# Altium PCB IC_LAB_test.PcbDoc (part 4 of 8)
Units mil, origin at the board's own origin, x right, y up, seen from the top; angles counter-clockwise.
Board outline 9750.75 x 5353.06 mil, 2 copper layers (Top Layer, Bottom Layer); 164 components, 0 nets, 5989 pads, 3214 vias.
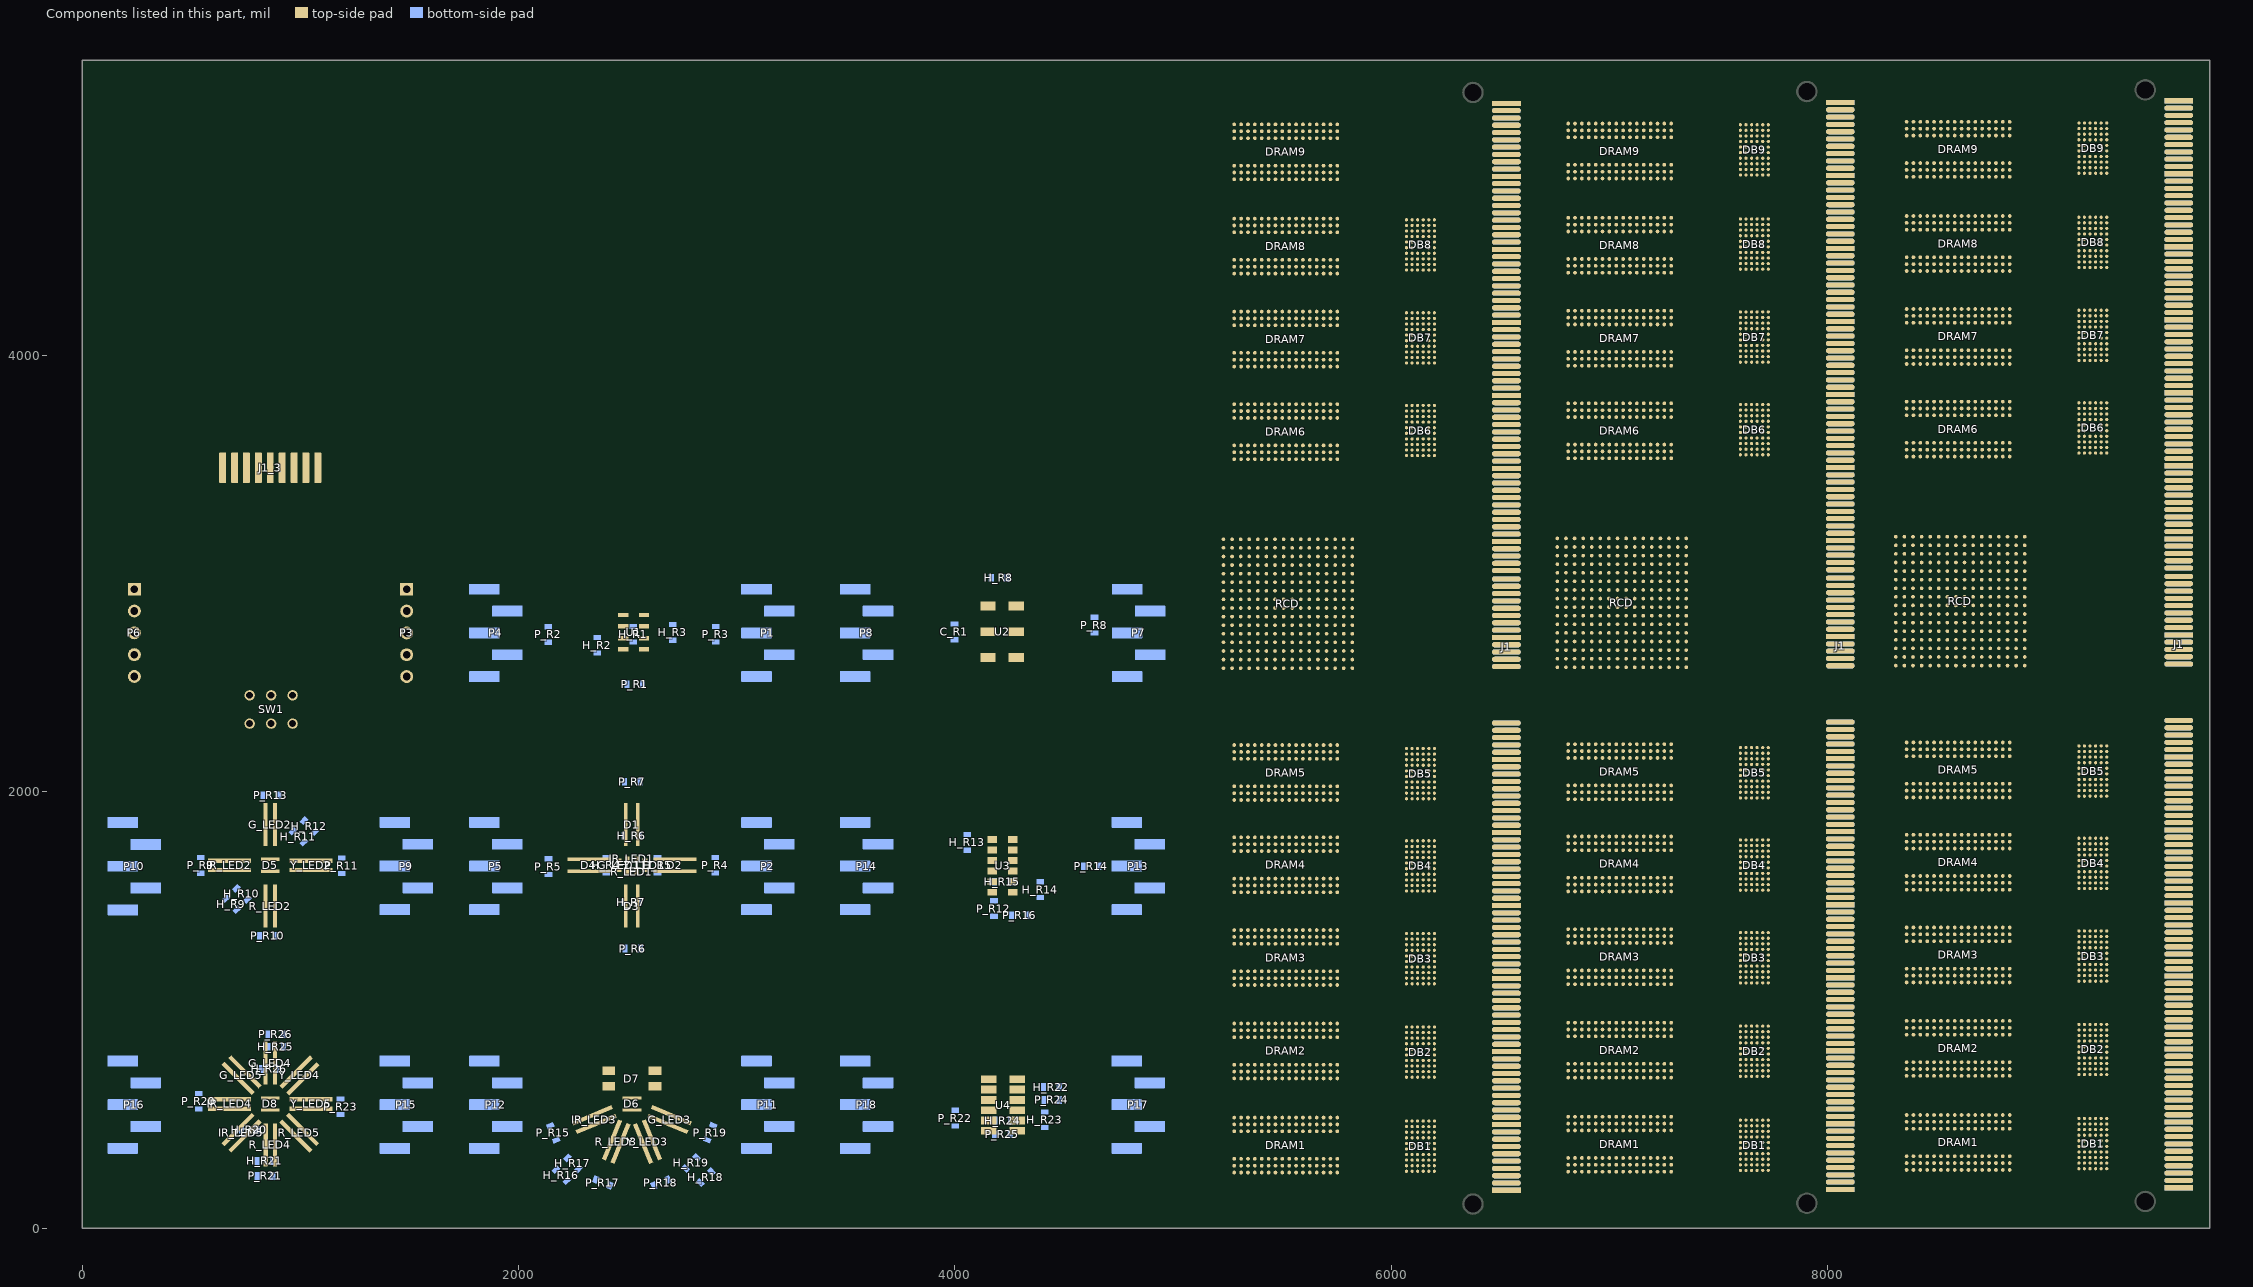
[diagram p4: the components of this part, seen from the top]

## Via types
v1: diameter 17.72, hole 8, Top Layer to Bottom Layer, 2685 vias
v2: diameter 39.37, hole 23.62, Top Layer to Bottom Layer, tented both sides, 414 vias
v3: diameter 23.62, hole 11.81, Top Layer to Bottom Layer, 52 vias
v4: diameter 23.62, hole 11.81, Top Layer to Bottom Layer, tented top, 33 vias
v5: diameter 31.5, hole 15.75, Top Layer to Bottom Layer, 21 vias
v6: diameter 137.8, hole 122.05, Top Layer to Bottom Layer, 3 vias
v7: diameter 78.74, hole 62.99, Top Layer to Bottom Layer, 3 vias
v8: diameter 39.37, hole 19.68, Top Layer to Bottom Layer, 3 vias

## Nets (pads, with @x,y where several pads share a name; then routed paths per layer and width w, separated by ;. In a path a pad name is that pad's centre, name@x,y a point inside that pad or via, vN(x,y) a via of type N, cw(c..) or ccw(c..) an arc to the next point about the centre after c; other vN are vias at no path point) (continued)
copper on no net: (continued)
  Top Layer w3.5: 7251.38,4410.39 7266.6,4395.17 7290.87,4395.17 7316.33,4420.63 7599.92,4420.63 ; 7251.38,4441.89 7264.15,4454.66 7264.15,4462.45 v1(7265.87,4464.17) ; 7251.38,4842.17 7266.59,4826.95 7300.65,4826.95 7326.1,4852.4 7599.92,4852.4 ; 7251.38,4873.66 7251.38,4876.24 7267.87,4892.74 v1(7267.87,4895.17) ; v1(7253.87,2865.17) 7253.87,2865.8 7272.87,2884.8 7272.87,2885.43 ; v1(7253.87,2904.17) 7253.87,2904.99 7272.87,2923.99 7272.87,2924.8 ; v1(7253.87,2944.17) 7253.87,2944.67 7272.87,2963.67 7272.87,2964.17 ; v1(7254.87,2827.17) 7254.87,2827.62 7272.87,2845.62 7272.87,2846.06 ; v1(7260.87,1038.17) 7307.87,1038.17 7366.87,1097.17 7624.42,1097.17 7651.1,1123.86 ; v1(7262.87,3876.17) 7306.87,3876.17 7367.87,3937.17 7619.42,3937.17 7651.1,3968.86 ; v1(7263.87,3461.17) 7317.87,3461.17 7365.87,3509.17 7615.83,3509.17 7651.1,3544.45 ; v1(7263.87,4301.17) 7265.87,4299.17 7314.87,4299.17 7373.87,4358.17 7614.24,4358.17 7651.1,4395.04 ; v1(7265.87,1464.17) 7268.87,1467.17 7312.87,1467.17 7366.87,1521.17 7610.87,1521.17 7611.87,1522.17 7624.42,1522.17 7651.1,1548.86 ; v1(7265.87,1883.17) 7266.87,1884.17 7318.87,1884.17 7373.87,1939.17 7618.46,1939.17 7651.1,1971.81 ; v1(7266.87,620.17) 7321.87,620.17 7364.87,663.17 7618.65,663.17 7651.1,695.63 ; v1(7266.87,4740.17) 7266.87,4739.17 7267.87,4738.17 7332.87,4738.17 7387.87,4793.17 7617.46,4793.17 7651.1,4826.81 ; v1(7268.87,175.17) 7413.87,175.17 7472.87,234.17 7620.83,234.17 7651.1,264.45 ; 7272.87,2649.21 7291.91,2630.17 v1(7293.87,2630.17) ; 7272.87,2806.69 7294.35,2828.17 7419.87,2828.17 7642.61,3050.91 8057.87,3050.91 ; 7272.87,3161.02 7270.87,3163.02 7270.87,3170.17 v1@7250.22,3190.82 ; 7282.87,447.68 7300.87,429.68 v1(7300.87,428.99) ; 7282.87,878.86 7301.84,859.9 7309.15,859.9 v1(7310.87,858.17) ; 7282.87,1307.09 7286.96,1307.09 v1(7301.87,1292.17) ; 7282.87,1732.09 7295.79,1719.17 v1(7307.87,1719.17) ; 7282.87,2155.04 7284.92,2155.04 7294.79,2145.17 v1(7308.87,2145.17) ; 7282.87,3717.28 7294.98,3705.17 v1(7307.87,3705.17) ; 7282.87,4141.69 7297.39,4127.17 v1(7308.87,4127.17) ; 7282.87,4567.87 7296.57,4554.17 v1(7309.87,4554.17) ; 7282.87,4999.65 7293.82,4988.7 v1(7313.98,4988.7) ; v1(7286.87,3195.17) 7288.59,3193.45 7288.59,3184.67 7312.24,3161.02 ; v1(7293.87,2904.17) 7293.87,2905.3 7312.24,2923.67 7312.24,2924.8 ; v1(7297.87,2511.17) 7312.24,2525.54 7312.24,2570.47 ; v1(7301.87,1088.17) 7303.6,1089.9 7311.6,1089.9 7345.56,1123.86 7599.92,1123.86 ; v1(7302.87,223.17) 7427.87,223.17 7469.15,264.45 7599.92,264.45 ; v1(7307.87,1516.17) 7340.56,1548.86 7599.92,1548.86 ; v1(7309.87,1936.17) 7345.51,1971.81 7599.92,1971.81 ; v1(7309.87,3934.17) 7344.56,3968.86 7599.92,3968.86 ; v1(7310.04,3506.42) 7348.07,3544.45 7599.92,3544.45 ; v1(7311.87,4357.17) 7311.87,4363.17 7342.87,4394.17 7599.06,4394.17 7599.92,4395.04 ; 7312.24,2609.84 7326.87,2595.21 7326.87,2577.22 7327.36,2576.73 7327.36,2564.21 7326.87,2563.72 v1(7326.87,2511.17) ; 7312.24,2649.21 7330.28,2631.17 v1(7330.87,2631.17) ; 7312.24,2688.58 7314.46,2688.58 v1(7331.87,2671.17) ; 7312.24,2727.95 7331.02,2709.17 v1(7332.87,2709.17) ; 7312.24,2767.32 7314.72,2767.32 7333.87,2748.17 7368.87,2748.17 v1(7665.87,2451.17) ; 7312.24,2806.69 7312.24,2805.75 7330.87,2787.12 v1(7330.87,2786.17) ; 7312.24,2846.06 7330.24,2846.06 7346.96,2862.78 7385.48,2862.78 7640.54,3117.84 8057.87,3117.84 ; 7312.24,2885.43 7330.98,2904.17 7362.87,2904.17 7643.47,3184.77 8057.87,3184.77 ; 7312.24,2964.17 7313.74,2965.67 7313.74,2977.04 7332.87,2996.17 7332.87,3047.17 7344.87,3059.17 7356.87,3059.17 7616.33,3318.62 8057.87,3318.62 ; v1(7312.87,668.17) 7312.87,669.17 7337.87,694.17 7598.46,694.17 7599.92,695.63 ; v1(7312.87,4789.17) 7350.51,4826.81 7599.92,4826.81 ; v1(7348.81,1755.24) 7598.27,1755.24 7599.92,1753.58 ; v1(7348.87,1778.17) 7349.37,1778.67 7599.42,1778.67 7599.92,1779.17 ; v1(7350.87,2511.17) 7351.61,2511.91 7351.61,2570.47 ; 7351.61,2649.21 7599.87,2400.95 v1@7599.87,2243.17 ; 7351.61,2688.58 7351.61,2670.59 7692.3,2329.9 v1(7692.3,2225.62) ; 7351.61,2727.95 7375.87,2703.69 v1(7375.87,2703.17) ; 7351.61,2767.32 7379.72,2767.32 v1(7643.87,2503.17) ; 7351.61,2806.69 7365.09,2820.17 7442.84,2820.17 7640.11,3017.44 8057.87,3017.44 ; 7351.61,2846.06 7378.76,2846.06 v1(7379.87,2847.17) ; 7351.61,2885.43 7368.13,2885.43 7378.87,2896.17 7378.87,2902.17 v1(7379.87,2903.17) ; 7351.61,2924.8 7376.87,2950.06 7376.87,2973.17 v1(7377.87,2974.17) ; 7351.61,2964.17 7351.61,2980.91 7375.87,3005.17 7375.87,3051.17 v1(7374.87,3052.17) ; v1(7358.87,356.17) 7373.83,341.22 7599.92,341.22 ; v1(7358.87,787.17) 7373.65,772.4 7599.92,772.4 ; v1(7358.87,901.17) 7359.69,900.35 7599.92,900.35 ; v1(7359.87,1645.17) 7379.42,1625.63 7599.92,1625.63 ; v1(7359.87,2066.17) 7377.46,2048.58 7599.92,2048.58 ; v1(7359.87,5044.17) 7587.28,5044.17 7599.92,5031.54 ; v1(7360.87,927.17) 7362.1,925.94 7599.92,925.94 ; v1(7360.87,1217.17) 7377.42,1200.63 7599.92,1200.63 ; v1(7360.87,1328.17) 7361.08,1328.38 7599.72,1328.38 7599.92,1328.58 ; v1(7360.87,4052.17) 7367.42,4045.63 7599.92,4045.63 ; v1(7360.87,4903.17) 7361.28,4903.58 7599.92,4903.58 ; v1(7360.87,5069.17) 7372.92,5057.13 7599.92,5057.13 ; v1(7361.87,1355.17) 7362.37,1354.67 7599.42,1354.67 7599.92,1354.17 ; v1(7361.87,2176.17) 7362.06,2176.35 7599.74,2176.35 7599.92,2176.54 ; v1(7361.87,2202.17) 7361.92,2202.13 7599.92,2202.13 ; v1(7361.87,3750.17) 7362.37,3749.67 7599.42,3749.67 7599.92,3749.17 ; v1(7361.87,3775.17) 7362.28,3774.76 7599.92,3774.76 ; v1(7361.87,4172.17) 7363.28,4173.58 7599.92,4173.58 ; v1(7361.87,4472.17) 7362.24,4471.81 7599.92,4471.81 ; v1(7361.87,4607.17) 7369.28,4599.76 7599.92,4599.76 ; v1(7362.87,4630.17) 7367.69,4625.35 7599.92,4625.35 ; v1(7363.87,3625.17) 7367.83,3621.22 7599.92,3621.22 ; v1(7363.87,4198.17) 7364.37,4198.67 7599.42,4198.67 7599.92,4199.17 ; v1(7364.87,1738.77) v1@7365.88,1739.78 ; v1(7366.87,4567.17) 7367.72,4567.17 7374.72,4574.17 7599.92,4574.17 ; v1(7369.87,3715.17) 7378.28,3723.58 7599.92,3723.58 ; v1(7370.87,4140.17) 7378.69,4147.99 7599.92,4147.99 ; v1(7373.87,4999.17) 7380.65,5005.94 7599.92,5005.94 ; v1(7378.87,444.17) 7379.46,443.58 7599.92,443.58 ; v1(7381.87,1722.17) 7384.31,1722.17 7390.13,1727.99 7599.92,1727.99 ; v1(7381.87,4549.17) 7382.46,4548.58 7599.92,4548.58 ; v1(7383.87,4123.17) 7384.65,4122.4 7599.92,4122.4 ; v1(7384.87,2140.17) 7395.65,2150.95 7599.92,2150.95 ; v1(7384.87,3698.17) 7385.06,3697.99 7599.92,3697.99 ; v1(7389.87,4980.17) 7390.06,4980.35 7599.92,4980.35 ; v1(7390.87,1296.17) 7397.69,1302.99 7599.92,1302.99 ; v1(7393.87,857.17) 7411.46,874.76 7599.92,874.76 ; v1(7398.87,2124.17) 7400.06,2125.35 7599.92,2125.35 ; v1(7399.87,1704.17) 7400.76,1703.29 7599.04,1703.29 7599.92,1702.4 ; v1(7405.87,1276.17) 7406.49,1276.79 7599.31,1276.79 7599.92,1277.4 ; v1(7407.87,838.17) 7418.87,849.17 7599.92,849.17 ; v1(7416.87,2994.17) 7640.93,3218.23 8057.87,3218.23 ; v1(7417.87,2852.17) 7650.07,3084.37 8057.87,3084.37 ; v1(7417.87,3032.17) 7637.4,3251.7 8057.87,3251.7 ; v1(7418.87,3142.17) 7619.87,3343.17 7869.87,3343.17 7878.79,3352.09 8057.87,3352.09 ; v1(7419.87,2923.17) 7648,3151.3 8057.87,3151.3 ; v1(7419.87,3074.17) 7630.86,3285.16 8057.87,3285.16 ; v1(7419.87,3187.17) 7581.87,3349.17 7815.87,3349.17 7852.25,3385.55 8057.87,3385.55 ; v1(7422.87,3235.17) 7577.16,3389.46 7766.23,3389.46 7795.79,3419.02 8057.87,3419.02 ; v1(7431.87,410.17) 7439.69,417.99 7599.92,417.99 ; v1(7462.87,470.17) 7463.87,469.17 7599.92,469.17 ; v1(7506.87,495.17) 7507.28,494.76 7599.92,494.76 ; v1(7534.87,4523.17) 7535.06,4522.99 7599.92,4522.99 ; v1(7535.87,4097.17) 7536.24,4096.81 7599.92,4096.81 ; v1(7536.87,4955.17) 7537.28,4954.76 7599.92,4954.76 ; v1(7537.87,3673.17) 7538.65,3672.4 7599.92,3672.4 ; v1(7540.87,1678.17) 7541.56,1677.49 7599.24,1677.49 7599.92,1676.81 ; v1(7542.87,823.17) 7543.28,823.58 7599.92,823.58 ; v1(7543.87,1252.17) 7544.24,1251.81 7599.92,1251.81 ; v1(7544.87,394.17) 7546.65,392.4 7599.92,392.4 ; v1(7544.87,2101.17) 7545.58,2100.47 7599.22,2100.47 7599.92,2099.76 ; v1(7569.87,536.17) 7595.87,510.17 7607.85,510.17 7609.48,508.55 7611.73,508.55 7625.51,494.76 ; v1(7570.87,966.17) 7594.87,942.17 7609.28,942.17 7625.51,925.94 ; v1(7574.87,1393.17) 7574.87,1381.17 7586.87,1369.17 7610.51,1369.17 7625.51,1354.17 ; v1(7574.87,1817.17) 7590.48,1801.57 7603.12,1801.57 7625.51,1779.17 ; v1(7577.87,2242.17) 7577.87,2225.17 7583.87,2219.17 7608.46,2219.17 7625.51,2202.13 ; v1(7582.87,4238.17) 7582.87,4226.17 7590.87,4218.17 7601.87,4218.17 7620.87,4199.17 7625.51,4199.17 ; v1@7582.87,4670.17 7582.87,4667.99 7625.51,4625.35 ; v1(7584.87,3818.17) 7584.87,3801.17 7593.87,3792.17 7609.87,3792.17 7625.51,3776.54 7625.51,3774.76 ; v1(7592.87,5096.17) 7592.87,5083.17 7600.87,5075.17 7613.87,5075.17 7625.51,5063.54 7625.51,5057.13 ; v1(7616.87,536.17) 7651.1,501.94 7651.1,494.76 ; v1(7618.37,1826.8) 7618.37,1817.6 7635.41,1800.56 7641.49,1800.56 7651.09,1790.96 7651.09,1779.19 ; v1(7618.87,968.17) 7651.1,935.94 7651.1,925.94 ; v1(7620.87,1393.17) 7651.1,1362.95 7651.1,1354.17 ; 7621.87,2243.17 7621.87,2242.1 7651.1,2212.87 7651.1,2202.13 ; v1(7626.87,4238.17) 7651.1,4213.94 7651.1,4199.17 ; v1@7627.87,4671.17 7651.1,4647.94 7651.1,4625.35 ; v1@7629.87,3817.17 7651.1,3795.95 7651.1,3774.76 ; v1(7638.87,5096.17) 7651.1,5083.94 7651.1,5057.13 ; v1(7643.87,4082.17) 7659.87,4082.17 7669.87,4092.17 7669.87,4110.17 7674.48,4114.78 7674.48,4120.19 7676.69,4122.4 ; v1(7646.65,3664.08) 7653.97,3664.08 7653.14,3664.9 7673.65,3685.41 7673.65,3692.59 7677.87,3696.81 7676.69,3697.99 ; v1(7646.87,810.17) 7659.87,810.17 7664.27,814.57 7664.27,835.64 7673.41,844.78 7674.33,844.78 7676.69,847.15 7676.69,849.17 ; v1(7651.87,378.17) 7651.87,380.17 7667.27,395.57 7667.27,400.64 7676.41,409.78 7676.69,409.78 7676.69,417.99 ; v1(7655.87,4494.17) 7669.87,4508.17 7691.51,4508.17 7702.28,4497.4 ; v1(7657.12,1646.17) 7658.87,1646.17 7672.7,1660 7693.5,1660 7702.28,1651.22 ; v1(7657.87,1221.85) 7657.87,1223.17 7669.7,1235 7693.5,1235 7702.28,1226.22 ; v1(7657.87,3643.17) 7668.9,3654.2 7691.85,3654.2 7699.24,3646.81 7702.28,3646.81 ; v1(7658.87,4925.17) 7673.87,4940.17 7691.28,4940.17 7702.28,4929.17 ; v1(7659.87,4067.17) 7675.87,4083.17 7690.33,4083.17 7702.28,4071.22 ; v1(7660.87,536.17) 7676.69,520.35 7676.69,494.76 ; v1(7662.87,359.17) 7673.08,359.17 7676.41,355.85 7687.66,355.85 7702.28,341.22 ; v1@7662.87,1816.17 7676.69,1802.35 7676.69,1779.17 ; v1(7666.87,968.17) 7676.69,958.35 7676.69,925.94 ; v1(7666.87,1394.17) 7678.09,1382.96 7678.09,1355.57 7676.69,1354.17 ; v1(7668.31,2240.68) 7668.31,2239.74 7676.69,2231.35 7676.69,2202.13 ; v1@7671.87,4671.17 7676.69,4666.35 7676.69,4625.35 ; v1(7672.24,1275.89) 7672.24,1269.08 7672.95,1268.37 7674.48,1268.37 7674.48,1275.19 v1@7676.69,1277.4 ; v1(7672.24,3720.99) 7672.24,3714.55 7669.95,3716.84 v1@7676.69,3723.58 ; v1(7672.87,4238.17) 7674.6,4236.45 7674.6,4201.27 7676.69,4199.17 ; v1(7675.87,2070.17) 7680.69,2070.17 7702.28,2048.58 ; 7676.42,4980.08 7676.69,4980.35 ; 7676.69,264.45 7677.87,263.27 v1(7677.87,194.17) ; 7676.69,695.63 7676.69,646.35 v1(7768.87,554.17) ; 7676.69,1123.86 7676.69,1073.35 v1(7758.87,991.17) ; 7676.69,1548.86 7676.69,1501.35 v1(7759.87,1418.17) ; 7676.69,1971.81 7676.69,1931.35 v1@7755.87,1852.17 ; 7676.69,3544.45 7676.69,3489.35 v1@7760.87,3405.17 ; 7676.69,3774.76 7676.69,3818.99 v1(7676.87,3819.17) ; 7676.69,3968.86 7676.69,3932.35 v1(7767.87,3841.17) ; 7676.69,4395.04 7676.69,4350.35 v1(7765.87,4261.17) ; 7676.69,4826.81 7676.69,4783.35 v1(7763.87,4696.17) ; 7676.69,5057.13 7676.69,5087.99 7683.87,5095.17 7683.87,5096.17 v1@7684.87,5097.17 ; v1(7679.74,1648.17) 7702.28,1625.63 ; v1(7679.87,827.85) 7684.14,823.58 7702.28,823.58 ; v1(7679.87,4524.17) 7681.06,4522.99 7702.28,4522.99 ; v1@7679.92,4494.17 7702.28,4471.81 ; v1(7680.12,3669.81) 7682.71,3672.4 7702.28,3672.4 ; v1(7680.87,4067.17) 7702.28,4045.76 7702.28,4045.63 ; v1(7680.87,4925.17) 7702.28,4903.76 7702.28,4903.58 ; v1(7681.87,2102.17) 7684.28,2099.76 7702.28,2099.76 ; v1(7681.87,4100.17) 7685.24,4096.81 7702.28,4096.81 ; v1(7681.87,4959.17) 7685.87,4963.17 7692.87,4963.17 7701.28,4954.76 7702.28,4954.76 ; v1(7682.87,371.46) 7692.2,371.46 7694.92,374.17 7702.28,366.81 ; v1(7682.87,394.17) 7684.65,392.4 7702.28,392.4 ; v1(7687.87,1252.85) 7700.6,1252.85 7700.92,1253.17 7702.28,1251.81 ; v1(7688.87,1678.85) 7690.91,1676.81 7702.28,1676.81 ; v1(7697.83,3625.67) 7697.83,3624.21 7700.83,3621.22 v1@7702.28,3621.22 ; v1(7697.87,770.85) 7697.87,776.81 v1@7702.28,772.4 ; v1(7697.87,1204.85) 7695.2,1204.85 7699.42,1200.63 v1@7702.28,1200.63 ; 7702.28,264.45 7702.44,264.45 7702.44,231.61 v1(7763.87,170.17) ; 7702.28,494.76 7702.28,532.58 v1(7706.87,537.17) ; 7702.28,695.63 7702.28,670.76 v1(7767.87,605.17) ; 7702.28,925.94 7702.28,960.58 v1(7711.87,970.17) ; 7702.28,1123.86 7702.28,1099.76 v1(7757.87,1044.17) ; 7702.28,1354.17 7712.37,1364.26 v1(7712.37,1403.8) ; 7702.28,1548.86 7702.28,1527.76 v1(7757.87,1472.17) ; 7702.28,1779.17 7702.28,1782.3 7708.28,1788.3 7708.28,1812.76 7706.87,1814.17 v1(7706.87,1817.17) ; 7702.28,1971.81 7702.28,1947.76 v1(7752.87,1897.17) ; 7702.28,2202.13 7707.91,2207.75 v1(7707.91,2242.17) ; 7702.28,3544.45 7702.28,3516.76 v1(7759.87,3459.17) ; 7702.28,3774.76 7702.28,3795.58 v1@7723.87,3817.17 ; 7702.28,3968.86 7702.28,3965.73 7708.28,3959.73 7708.28,3946.76 v1(7766.87,3888.17) ; 7702.28,4199.17 7718.87,4215.76 v1(7718.87,4238.17) ; 7702.28,4395.04 7702.28,4372.76 v1(7764.87,4310.17) ; 7702.28,4625.35 7716.87,4639.94 v1@7716.87,4671.17 ; 7702.28,4826.81 7702.28,4803.76 v1(7762.87,4743.17) ; 7702.28,5057.13 7730.87,5085.72 v1(7730.87,5096.17) v1@7730.87,5097.17 ; 7727.87,264.45 7815.08,177.24 8057.87,177.24 ; 7727.87,290.04 7727.87,289.61 7817.87,199.61 v1(7817.87,199.17) ; 7727.87,315.63 7832.8,210.71 8057.87,210.71 ; 7727.87,341.22 7729.35,341.22 7816.4,254.17 v1(7817.87,254.17) ; 7727.87,366.81 7850.51,244.17 8057.87,244.17 ; 7727.87,392.4 7728.76,392.4 7816.99,304.17 v1(7817.87,304.17) ; 7727.87,417.99 7868.23,277.64 8057.87,277.64 ; 7727.87,443.58 7817.28,354.17 v1(7817.87,354.17) ; 7727.87,469.17 7751.87,469.17 v1(7768.87,452.17) ; 7727.87,494.76 v1(7727.87,537.17) ; 7727.87,695.63 7811.22,612.28 8057.87,612.28 ; 7727.87,721.2 v1(7818.87,630.17) ; 7727.87,746.81 7828.94,645.75 8057.87,645.75 ; 7727.87,772.4 7727.87,771.17 v1(7818.87,680.17) ; 7727.87,797.99 7846.65,679.21 8057.87,679.21 ; 7727.87,823.58 7818.87,732.58 v1(7818.87,732.17) ; 7727.87,849.17 7864.37,712.68 8057.87,712.68 ; 7727.87,874.76 7817.46,785.17 v1(7817.87,785.17) ; 7727.87,900.35 7745.06,883.17 v1(7767.87,883.17) ; 7727.87,925.94 7727.87,966.17 v1(7732.87,971.17) ; 7727.87,1123.86 7804.41,1047.32 8057.87,1047.32 ; 7727.87,1149.45 7808.15,1069.17 v1(7809.87,1069.17) ; 7727.87,1175.04 7822.13,1080.79 8057.87,1080.79 ; 7727.87,1200.63 7808.87,1119.63 v1(7808.87,1117.17) ; 7727.87,1226.22 7839.84,1114.25 8057.87,1114.25 ; 7727.87,1251.81 7727.87,1249.17 v1(7806.87,1170.17) ; 7727.87,1277.4 7857.56,1147.72 8057.87,1147.72 ; 7727.87,1302.99 7806.69,1224.17 v1(7806.87,1224.17) ; 7727.87,1328.58 7749.28,1307.17 v1(7769.87,1307.17) ; 7727.87,1354.17 7734.87,1361.17 v1(7734.87,1394.17) ; 7727.87,1548.86 7794.37,1482.36 8057.87,1482.36 ; 7727.87,1574.45 7802.15,1500.17 v1(7803.87,1500.17) ; 7727.87,1600.04 7812.09,1515.83 8057.87,1515.83 ; 7727.87,1625.63 7727.87,1624.17 v1(7805.87,1546.17) ; 7727.87,1651.22 7829.8,1549.29 8057.87,1549.29 ; 7727.87,1676.81 7806.51,1598.17 v1(7806.87,1598.17) ; 7727.87,1702.4 7847.52,1582.76 8057.87,1582.76 ; 7727.87,1727.99 7806.87,1648.99 v1(7806.87,1648.17) ; 7727.87,1753.58 7746.28,1735.17 v1(7769.87,1735.17) ; 7727.87,1779.17 7728.37,1779.67 7728.37,1816.67 v1(7728.87,1817.17) ; 7727.87,1971.81 7782.28,1917.4 8057.87,1917.4 ; 7727.87,1997.4 7791.1,1934.17 v1(7793.87,1934.17) ; 7727.87,2022.99 7800,1950.87 8057.87,1950.87 ; 7727.87,2048.58 7794.87,1981.58 v1(7794.87,1981.17) ; 7727.87,2074.17 7817.71,1984.33 8057.87,1984.33 ; 7727.87,2099.76 7793.46,2034.17 v1(7795.87,2034.17) ; 7727.87,2125.35 7835.43,2017.8 8057.87,2017.8 ; 7727.87,2150.95 7794.65,2084.17 v1(7795.87,2084.17) ; 7727.87,2176.54 7744.24,2160.17 v1(7764.87,2160.17) ; 7727.87,2202.13 7731.3,2205.55 v1(7731.3,2240.68) ; 7727.87,3544.45 7819.84,3452.48 8057.87,3452.48 ; 7727.87,3595.63 7837.56,3485.95 8057.87,3485.95 ; 7727.87,3621.17 v1(7808.87,3540.17) ; 7727.87,3646.81 7855.27,3519.41 8057.87,3519.41 ; 7727.87,3672.4 7807.87,3592.4 v1(7807.87,3592.17) ; 7727.87,3697.99 7872.99,3552.88 8057.87,3552.88 ; 7727.87,3723.58 7812.28,3639.17 v1(7812.87,3639.17) ; 7727.87,3749.17 7740.87,3736.17 v1(7765.87,3736.17) ; 7727.87,3774.76 7727.87,3801.17 v1(7744.87,3818.17) ; 7727.87,3968.86 7809.21,3887.52 8057.87,3887.52 ; 7727.87,3994.45 7805.15,3917.17 v1@7806.87,3917.17 ; 7727.87,4020.04 7826.93,3920.99 8057.87,3920.99 ; 7727.87,4045.63 7807.87,3965.63 v1(7807.87,3965.17) ; 7727.87,4071.22 7844.64,3954.45 8057.87,3954.45 ; 7727.87,4096.81 7807.51,4017.17 v1(7807.87,4017.17) ; 7727.87,4122.4 7862.36,3987.92 8057.87,3987.92 ; 7727.87,4147.99 7807.69,4068.17 v1(7808.87,4068.17) ; 7727.87,4173.58 7750.46,4173.58 v1(7765.87,4158.17) ; 7727.87,4199.17 7740.87,4212.17 v1(7740.87,4238.17) ; 7727.87,4395.04 7800.35,4322.56 8057.87,4322.56 ; 7727.87,4420.63 7803.87,4344.63 v1(7803.87,4344.17) ; 7727.87,4446.22 7818.07,4356.03 8057.87,4356.03 ; 7727.87,4471.81 7804.51,4395.17 v1(7804.87,4395.17) ; 7727.87,4497.4 7835.78,4389.49 8057.87,4389.49 ; 7727.87,4522.99 7803.87,4446.99 v1(7803.87,4446.17) ; 7727.87,4548.58 7853.5,4422.96 8057.87,4422.96 ; 7727.87,4574.17 v1(7804.87,4497.17) ; 7727.87,4599.76 7742.46,4585.17 v1(7765.87,4585.17) ; 7727.87,4625.35 7738.87,4636.35 v1(7738.87,4672.17) ; 7727.87,4826.81 7797.08,4757.6 8057.87,4757.6 ; 7727.87,4852.4 7799.1,4781.17 v1(7799.87,4781.17) ; 7727.87,4877.99 7814.8,4791.07 8057.87,4791.07 ; 7727.87,4903.58 7799.87,4831.58 v1(7799.87,4831.17) ; 7727.87,4929.17 7832.52,4824.53 8057.87,4824.53 ; 7727.87,4954.76 7797.87,4884.76 v1(7797.87,4883.17) ; 7727.87,4980.35 7850.23,4858 8057.87,4858 ; 7727.87,5005.94 7727.87,5004.17 v1(7797.87,4934.17) ; 7727.87,5031.54 7756.51,5031.54 v1(7767.87,5020.17) ; 7727.87,5057.13 7753.87,5083.13 v1(7753.87,5096.17) ; 7729.01,3570.04 7727.87,3570.04 7809.74,3488.17 v1(7809.87,3488.17) ; v1(7764.87,4238.17) v1@7764.87,4240.17 ; v1(7884.87,4890.17) 7885.52,4890.82 8057.23,4890.82 8057.87,4891.46 ; v1(7887.87,2053.17) 7888.83,2052.22 8056.92,2052.22 8057.87,2051.26 ; v1(7888.87,4022.17) 7889.27,4021.78 8057.48,4021.78 8057.87,4021.38 ; v1(7889.87,4457.17) 7890.25,4456.8 8057.5,4456.8 8057.87,4456.42 ; v1(7898.87,3587.17) 8057.04,3587.17 8057.87,3586.34 ; v1@7902.9,1616.2 8057.85,1616.2 ; v1(7902.87,4924.17) 7903.25,4924.55 8057.5,4924.55 8057.87,4924.93 ; v1(7902.87,4958.17) 7902.98,4958.28 8057.77,4958.28 8057.87,4958.39 ; v1(7903.87,5025.17) 7903.95,5025.25 8057.8,5025.25 8057.87,5025.32 ; v1(7908.87,4056.17) 7909.54,4055.51 8057.21,4055.51 8057.87,4054.85 ; v1(7908.87,4489.17) 8057.16,4489.17 8057.87,4489.89 ; v1(7909.87,4088.17) 7909.94,4088.24 8057.81,4088.24 8057.87,4088.31 ; v1(7909.87,4523.17) 7909.96,4523.26 8057.79,4523.26 8057.87,4523.35 ; v1(7910.87,1179.17) 7911.88,1180.18 8056.87,1180.18 8057.87,1181.18 ; v1(7910.87,4154.17) 8056.81,4154.17 8057.87,4155.24 ; v1(7910.87,4589.17) 7911.43,4589.73 8057.32,4589.73 8057.87,4590.28 ; v1(7914.87,745.17) 7915.84,746.14 8057.87,746.14 ; v1(7917.87,309.17) 7918.84,310.14 8056.91,310.14 8057.87,311.1 ; v1(7922.87,3620.17) 7923.06,3619.99 8057.69,3619.99 8057.87,3619.81 ; v1(7922.87,3719.17) 7923.39,3719.69 8057.36,3719.69 8057.87,3720.2 ; v1@7923.87,2085.17 7924.1,2084.95 8057.65,2084.95 8057.87,2084.73 ; v1(7923.87,2119.17) 7924.37,2118.68 8057.38,2118.68 8057.87,2118.19 ; v1(7923.87,3655.17) 7924.83,3654.22 8056.92,3654.22 8057.87,3653.27 ; v1@7925.9,2185.15 8057.85,2185.15 ; v1(7927.87,1750.17) 7927.92,1750.13 8057.83,1750.13 8057.87,1750.08 ; v1(7928.87,1650.17) 7929.12,1649.93 8057.63,1649.93 8057.87,1649.69 8056.36,1648.17 8049.87,1648.17 ; v1(7928.87,1681.17) 